# Altium PCB MiniPC.PcbDoc (part 13 of 22)
Units mm, origin at the board's own origin, x right, y up, seen from the top; angles counter-clockwise.
Board outline 175 x 155 mm, 16 copper layers (1_Top, 2_int1_(gnd), 3_int2_(power), 4_int3_(gnd), 5_int4_(sign), 6_int5_(power), 7_int6_(sign), 8_int7_(power), 9_int8_(gnd), 10_int9_(sign), 11_int10_(gnd), 12_int11_(sign), 13_int12_(gnd), 14_int13_(power), 15_int14_(gnd), 16_Bottom), stack 2.008 mm thick; 1046 components, 837 nets, 6010 pads, 4009 vias.
Unrouted connection lines stored in the file: 575.
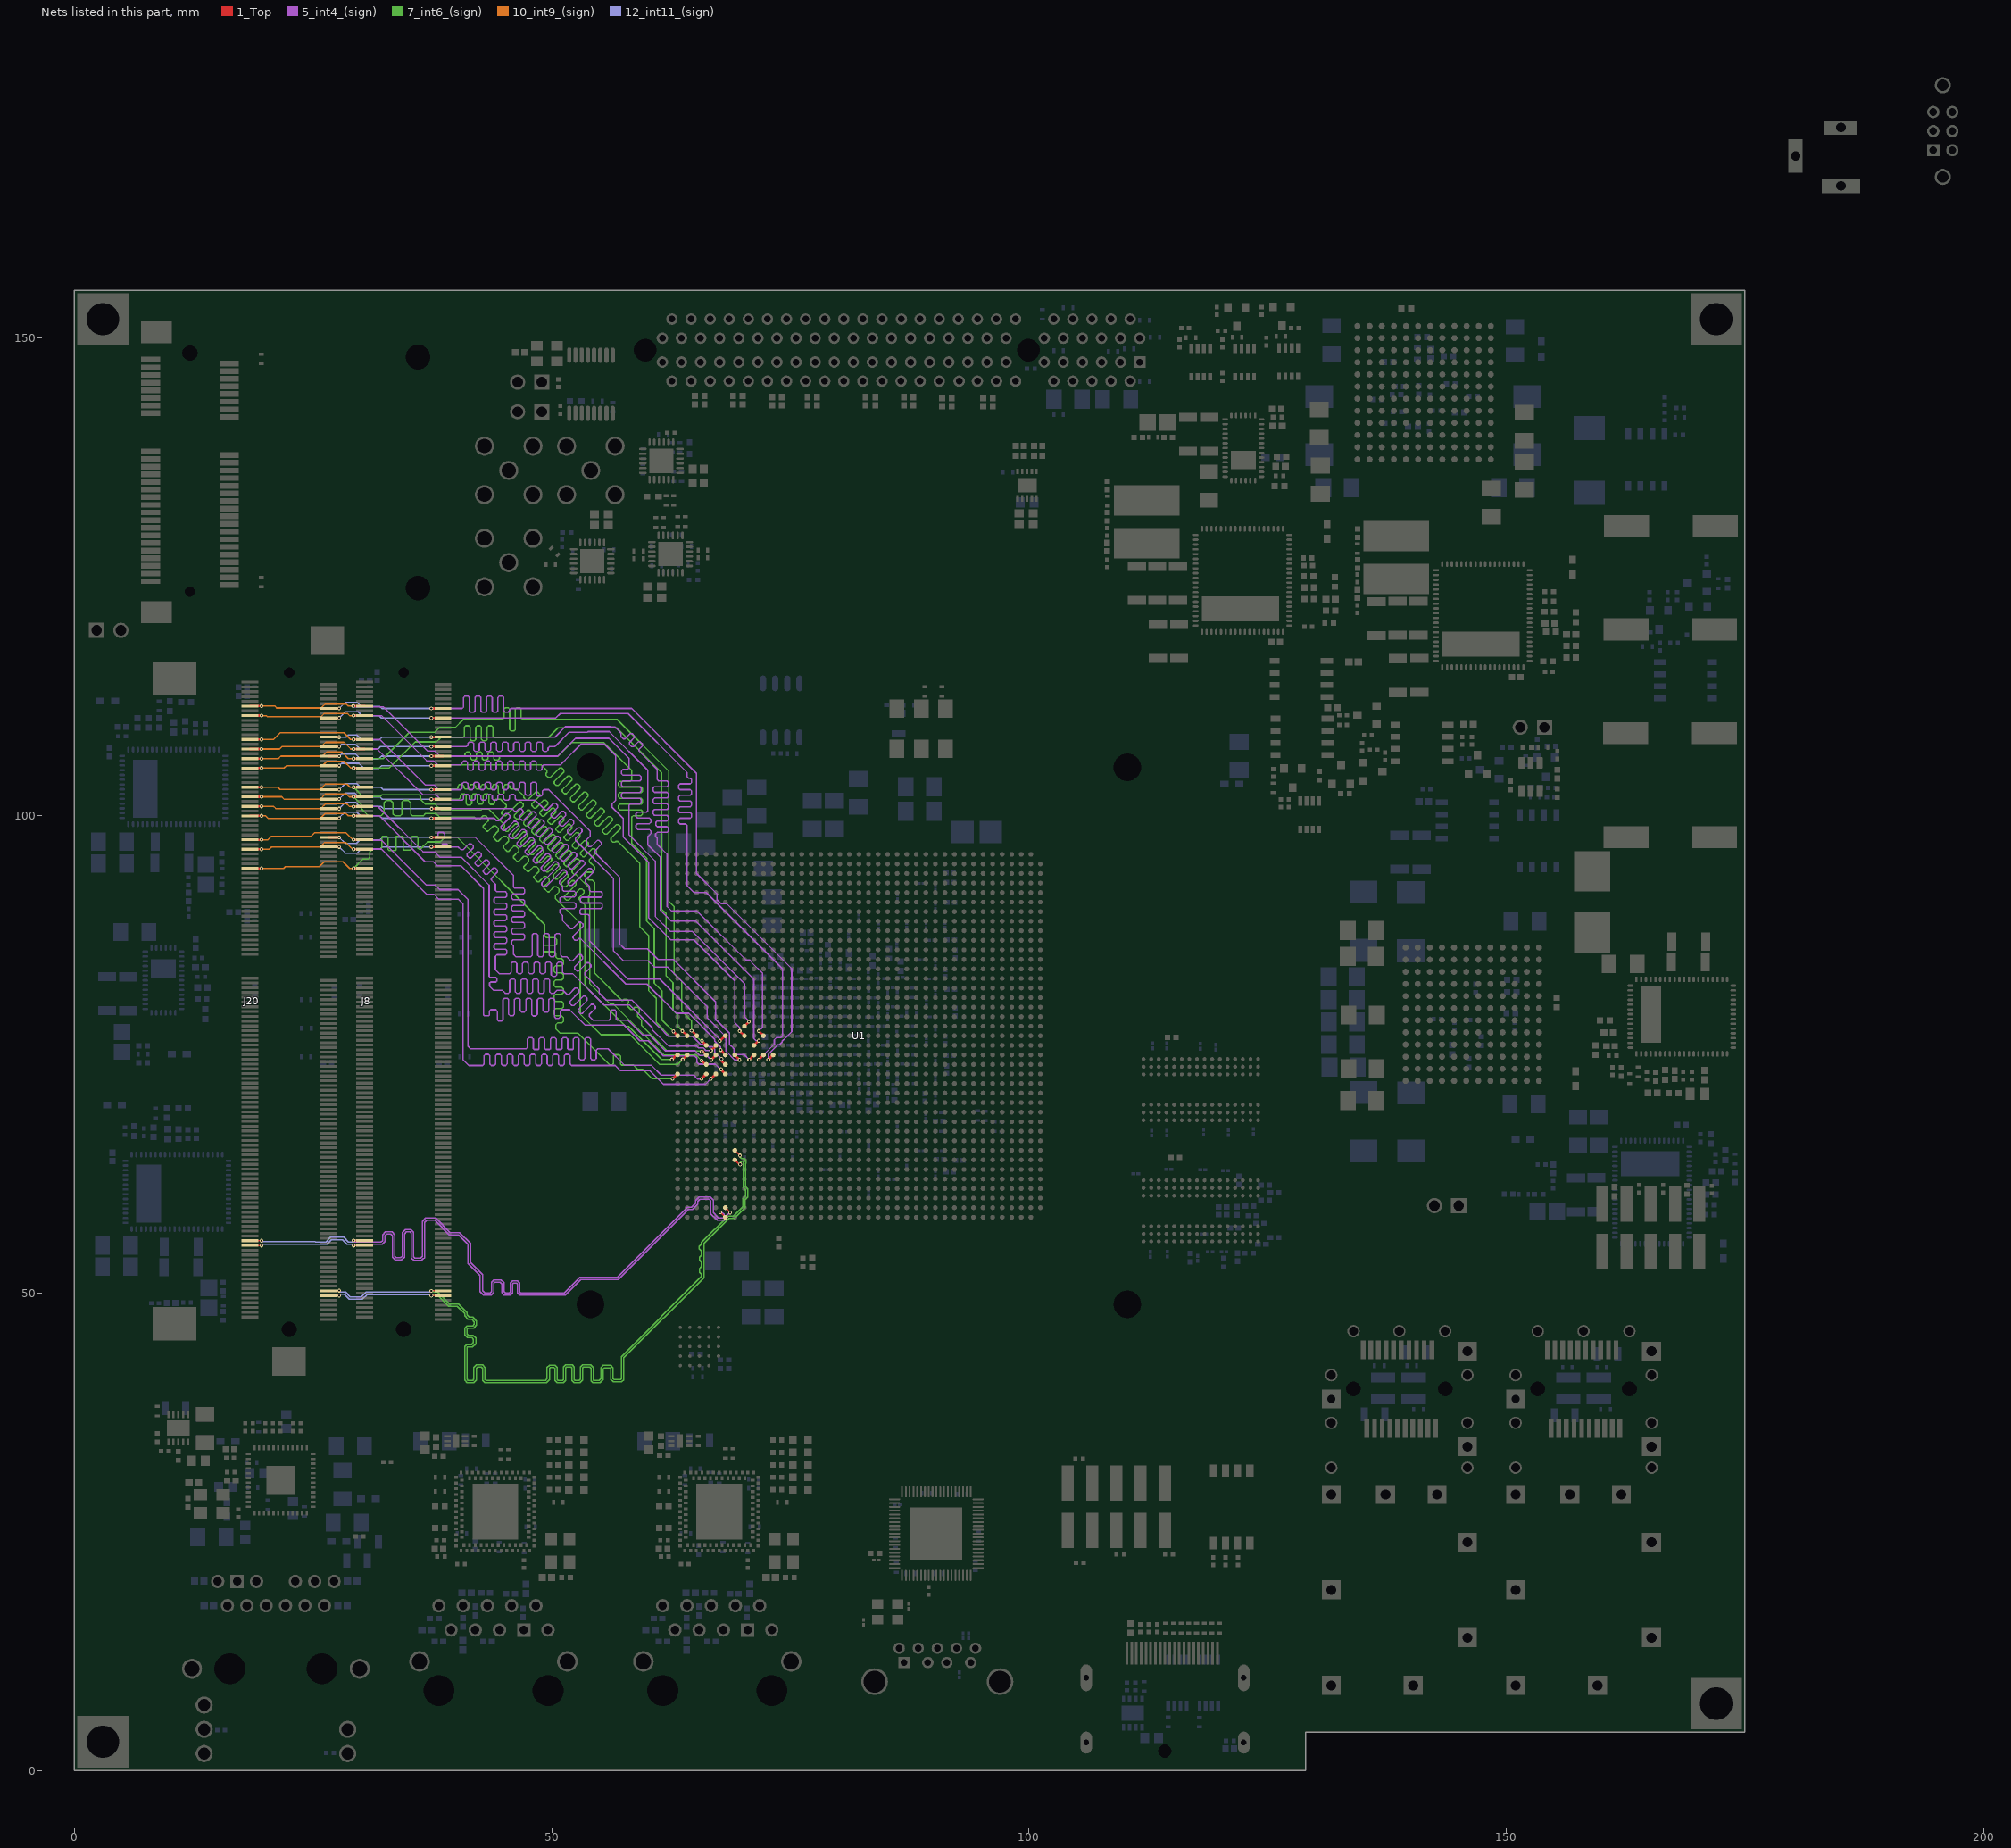
[diagram p27: the nets of this part, all layers, seen from the top]

## Via types
v1: diameter 0.4, hole 0.2, 1_Top to 16_Bottom, tented both sides, 1658 vias
v2: diameter 0.5, hole 0.2, 1_Top to 16_Bottom, tented both sides, 1014 vias
v3: diameter 0.7, hole 0.3, 1_Top to 16_Bottom, tented both sides, 915 vias
v4: diameter 0.6, hole 0.2, 1_Top to 16_Bottom, tented both sides, 278 vias
v5: diameter 0.4, hole 0.2, 1_Top to 16_Bottom, 93 vias
v6: diameter 0.4/0/0/0/0/0/0/0/0/0/0/0/0/0/0/0.4 (per signal layer), hole 0.2, 1_Top to 16_Bottom, tented both sides, 18 vias
v7: diameter 0.4/0/0/0/0/0/0/0/0/0/0/0.4/0.4/0.4/0.4/0.4 (per signal layer), hole 0.2, 1_Top to 16_Bottom, tented both sides, 16 vias
v8: diameter 0.5, hole 0.254, 1_Top to 16_Bottom, tented both sides, 15 vias
v9: diameter 0.5, hole 0.2, 1_Top to 16_Bottom, 2 vias

## Nets (pads, with @x,y where several pads share a name; then routed paths per layer and width w, separated by ;. In a path a pad name is that pad's centre, name@x,y a point inside that pad or via, vN(x,y) a via of type N, cw(c..) or ccw(c..) an arc to the next point about the centre after c; other vN are vias at no path point) (continued)
DDR4_SODIMM_DQ39: J8.182 J20.182 U1.AD1 | length 84.7
  1_Top w0.25: J20.182@18.4,94.475 v1(19.602,94.475) ; v1(29.25,94.475) J8.182@30.4,94.475 ; v1(62.675,72.425) 62.68,72.425 U1.AD1@63.194,72.939
  7_int6_(sign) w0.15: v1(29.25,94.475) 30.225,95.45 30.77,95.45 30.95,95.63 30.95,96.2 31.225,96.475 32,96.475 32.2,96.675 32.2,97.75 32.3,97.85 32.75,97.85 32.875,97.725 32.875,96.45 33,96.325 33.6,96.325 33.675,96.4 33.675,97.775 33.75,97.85 34.325,97.85 34.45,97.725 34.45,96.475 34.55,96.375 35.175,96.375 35.3,96.5 35.3,97.75 35.4,97.85 35.85,97.85 36,97.7 36,96.575 36.1,96.475 36.225,96.475 37,97.25 38.325,97.25 38.8,97.725 40.125,97.725 49.275,88.575 49.275,87.4 49.45,87.225 50.325,87.225 50.55,87 50.55,86.625 50.35,86.425 49.2,86.425 49.15,86.375 49.15,85.85 49.25,85.75 50.325,85.75 50.425,85.65 50.425,85.213 50.612,85.025 51.038,85.025 51.225,84.838 51.225,84.463 51.038,84.275 50.418,84.275 50.23,84.088 50.23,83.713 50.418,83.525 51.038,83.525 51.225,83.338 51.225,82.963 51.038,82.775 50.418,82.775 50.23,82.588 50.23,82.213 50.418,82.025 51.038,82.025 51.225,81.838 51.225,81.463 51.038,81.275 50.418,81.275 50.23,81.088 50.23,80.713 50.418,80.525 51.038,80.525 51.225,80.338 51.225,79.963 51.038,79.775 50.418,79.775 50.23,79.588 50.23,79.213 50.418,79.025 51.038,79.025 51.225,78.838 51.225,78.463 51.038,78.275 50.612,78.275 50.425,78.088 50.425,77.675 50.865,77.235 52.74,77.235 56.1,73.875 56.3,73.875 56.475,74.05 56.475,74.85 56.575,74.95 57.075,74.95 57.2,74.825 57.2,73.975 57.3,73.875 58.553,73.875 58.988,73.44 59.531,73.44 60.521,72.45 62.65,72.45 v1(62.675,72.425)
  10_int9_(sign) w0.15: v1(19.602,94.475) 21.925,94.475 22.1,94.65 25.65,94.65 26.175,95.175 28.15,95.175 28.85,94.475 v1(29.25,94.475)
DDR4_SODIMM_DQ40: J8.195 J20.195 U1.AC6 | length 89.3
  1_Top w0.25: J20.195@26.6,97.725 v1(27.75,97.725) ; v1(37.398,97.725) J8.195@38.6,97.725 ; v1(67.778,74.504) 67.778,74.355 U1.AC6@68.194,73.939
  5_int4_(sign) w0.15: v1(37.398,97.725) 37.95,97.725 37.95,97.75 38.1,97.9 38.1,98.165 38.185,98.25 38.6,98.25 38.8,98.05 38.8,97.8 38.875,97.725 42,97.725 45.985,93.74 45.985,92.55 46.135,92.4 47.035,92.4 47.185,92.25 47.185,91.95 47.035,91.8 45.96,91.8 45.81,91.65 45.81,91.35 45.96,91.2 47.035,91.2 47.185,91.05 47.185,90.75 47.035,90.6 45.96,90.6 45.81,90.45 45.81,90.15 45.96,90 47.035,90 47.185,89.85 47.185,89.55 47.035,89.4 45.96,89.4 45.81,89.25 45.81,88.95 45.96,88.8 47.035,88.8 47.185,88.65 47.185,88.35 47.035,88.2 45.96,88.2 45.81,88.05 45.81,87.75 45.96,87.6 47.035,87.6 47.185,87.45 47.185,87.15 47.035,87 45.96,87 45.81,86.85 45.81,86.55 45.985,86.375 45.985,85.49 46.25,85.225 47.8,85.225 47.95,85.375 47.95,87.5 48.1,87.65 48.4,87.65 48.55,87.5 48.55,85.375 48.7,85.225 49,85.225 49.15,85.375 49.15,87.5 49.3,87.65 49.6,87.65 49.75,87.5 49.75,85.375 49.9,85.225 50.2,85.225 50.35,85.375 50.35,87.5 50.5,87.65 50.8,87.65 50.95,87.5 50.95,85.375 51.1,85.225 51.575,85.225 51.994,84.806 52.206,84.806 52.833,85.434 53.045,85.434 53.257,85.222 53.257,85.009 52.524,84.276 52.414,84.166 52.414,83.954 52.626,83.742 52.838,83.742 53.682,84.585 53.894,84.585 54.106,84.373 54.106,84.161 53.478,83.534 53.478,83.322 54.975,81.825 54.975,81.424 55.734,80.665 57.022,80.665 58.41,80.665 61.309,77.766 61.35,77.766 62.225,76.891 64.739,76.891 65.591,76.04 66.228,76.04 66.479,75.788 66.856,75.788 67.088,75.556 67.088,75.212 67.778,74.522 v1(67.778,74.504)
  12_int11_(sign) w0.15: v1(27.75,97.725) 28.4,97.075 29.55,97.075 29.925,97.45 32,97.45 32.275,97.725 v1(37.398,97.725)
DDR4_SODIMM_DQ41: J8.194 J20.194 U1.AD4 | length 86.4
  1_Top w0.25: J20.194@18.4,97.475 v1(19.602,97.475) ; v1(29.25,97.475) J8.194@30.4,97.475 ; v1(65.7,72.425) 66.194,72.919 U1.AD4@66.194,72.939
  5_int4_(sign) w0.15: v1(29.25,97.475) 29.3,97.425 32.175,97.425 36.875,92.725 37.8,92.725 38.275,92.25 40.2,92.25 41.225,91.225 41.225,75.85 41.49,75.585 47.325,75.585 47.475,75.735 47.475,76.595 47.625,76.745 47.925,76.745 48.075,76.595 48.075,75.585 48.151,75.509 48.599,75.509 48.675,75.585 48.675,76.595 48.825,76.745 49.125,76.745 49.275,76.595 49.275,75.585 49.351,75.509 49.799,75.509 49.875,75.585 49.875,76.595 50.025,76.745 50.325,76.745 50.475,76.595 50.475,75.585 50.551,75.509 50.999,75.509 51.075,75.585 51.075,76.595 51.225,76.745 51.525,76.745 51.675,76.595 51.675,75.585 51.751,75.509 52.199,75.509 52.275,75.585 52.275,76.595 52.425,76.745 52.725,76.745 52.875,76.595 52.875,74.575 53.025,74.425 53.325,74.425 53.475,74.575 53.475,76.595 53.625,76.745 53.925,76.745 54.075,76.595 54.075,74.575 54.225,74.425 54.525,74.425 54.675,74.575 54.675,75.435 54.825,75.585 55.915,75.585 57.665,73.835 60.458,73.835 61.483,72.81 64.884,72.81 65.269,72.425 v1(65.7,72.425)
  10_int9_(sign) w0.15: v1(19.602,97.475) 20.275,97.475 20.65,97.85 24.825,97.85 25.175,98.2 28.45,98.2 29.175,97.475 v1(29.25,97.475)
DDR4_SODIMM_DQ42: J8.207 J20.207 U1.Y6 | length 90.8
  1_Top w0.25: J20.207@26.6,100.725 v1(27.75,100.725) ; v1(37.425,100.725) J8.207@38.6,100.725 ; v1(67.625,76.4) 68.164,76.939 U1.Y6@68.194,76.939
  5_int4_(sign) w0.15: v1(37.425,100.725) 45.85,100.725 46.106,100.469 46.318,100.469 46.574,100.725 46.786,100.725 46.999,100.513 46.999,100.301 46.636,99.939 46.636,99.765 46.887,99.514 47.061,99.514 47.945,100.398 48.157,100.398 48.369,100.186 48.369,99.974 47.485,99.09 47.485,98.916 47.735,98.666 47.909,98.666 48.793,99.55 49.005,99.55 49.217,99.338 49.217,99.125 48.333,98.242 48.333,98.068 48.584,97.817 48.758,97.817 49.642,98.701 49.854,98.701 50.066,98.489 50.066,98.277 49.182,97.393 49.182,97.219 49.432,96.969 49.606,96.969 50.49,97.853 50.702,97.853 50.914,97.641 50.914,97.428 50.03,96.545 50.03,96.371 50.281,96.12 50.455,96.12 51.339,97.004 51.551,97.004 51.763,96.792 51.763,96.58 50.879,95.696 50.879,95.522 51.129,95.272 51.303,95.272 52.187,96.156 52.399,96.156 52.611,95.943 52.611,95.731 51.728,94.847 51.728,94.674 51.978,94.423 52.152,94.423 53.036,95.307 53.248,95.307 53.46,95.095 53.46,94.883 52.576,93.999 51.692,93.115 51.692,92.903 51.904,92.691 52.116,92.691 53,93.575 53.884,94.459 54.096,94.459 54.308,94.246 54.308,94.034 53.531,93.256 53.531,93.044 53.95,92.625 53.95,92.2 54.1,92.05 55.155,92.05 55.305,91.9 55.305,91.6 55.155,91.45 53.149,91.45 52.999,91.3 52.999,91 53.149,90.85 55.155,90.85 55.305,90.7 55.305,90.4 55.155,90.25 53.113,90.25 52.963,90.1 52.963,89.8 53.113,89.65 53.8,89.65 53.95,89.5 53.95,86.921 57.996,82.875 61.325,82.875 67.625,76.575 v1(67.625,76.4)
  12_int11_(sign) w0.15: v1(27.75,100.725) 28.4,101.375 29.475,101.375 29.875,100.975 32.125,100.975 32.375,100.725 v1(37.425,100.725)
DDR4_SODIMM_DQ43: J8.208 J20.208 U1.AB5 | length 89.9
  1_Top w0.25: J20.208@18.4,100.975 v1(19.602,100.975) ; v1(29.25,100.95) 29.275,100.975 J8.208@30.4,100.975 ; v1(66.725,74.425) 67.194,74.894 U1.AB5@67.194,74.939
  5_int4_(sign) w0.15: v1(29.25,100.95) 29.275,100.975 31.775,100.975 36.535,96.215 37.71,96.215 38.3,95.625 40.55,95.625 43.45,92.725 43.45,83.15 43.55,83.05 44.15,83.05 44.275,82.925 44.275,82.7 44.15,82.575 43.6,82.575 43.5,82.475 43.5,82.125 43.925,81.7 44.85,81.7 45,81.55 45,81.535 45.15,81.385 45.45,81.385 45.6,81.535 45.6,82.75 45.75,82.9 46.05,82.9 46.2,82.75 46.2,81.535 46.35,81.385 46.65,81.385 46.8,81.535 46.8,82.75 46.95,82.9 47.25,82.9 47.4,82.75 47.4,81.535 47.55,81.385 47.85,81.385 48,81.535 48,82.75 48.15,82.9 48.45,82.9 48.6,82.75 48.6,81.535 48.75,81.385 49.05,81.385 49.2,81.535 49.2,82.75 49.35,82.9 49.65,82.9 49.8,82.75 49.8,81.535 49.95,81.385 50.25,81.385 50.4,81.535 50.4,81.55 50.55,81.7 51.2,81.7 51.606,81.294 51.818,81.294 52.455,81.93 52.667,81.93 52.879,81.718 52.879,81.506 51.915,80.542 51.915,80.33 52.127,80.118 52.339,80.118 53.303,81.082 53.515,81.082 53.727,80.87 53.727,80.658 52.985,79.915 52.777,79.707 52.777,79.495 52.989,79.282 53.201,79.282 53.409,79.491 54.152,80.233 54.364,80.233 54.576,80.021 54.576,79.809 53.94,79.173 53.94,78.96 54.338,78.562 56,78.562 56.15,78.712 56.15,79.495 56.3,79.645 56.6,79.645 56.75,79.495 56.75,78.712 56.9,78.562 57.988,78.562 59.525,77.025 60.25,77.025 61.9,75.375 65.021,75.375 65.521,74.875 66.25,74.875 66.7,74.425 v1(66.725,74.425)
  10_int9_(sign) w0.15: v1(19.602,100.975) 20.875,100.975 21.1,100.75 25.825,100.75 26.325,101.25 28.525,101.25 28.825,100.95 v1(29.25,100.95)
DDR4_SODIMM_DQ44: J8.191 J20.191 U1.AA5 | length 89.8
  1_Top w0.25: J20.191@26.6,96.725 v1(27.75,96.725) ; v1(37.398,96.725) J8.191@38.6,96.725 ; v1(66.7,75.4) 67.194,75.894 U1.AA5@67.194,75.939
  5_int4_(sign) w0.15: v1(37.398,96.725) 38.25,96.725 38.55,97.025 39.05,97.025 39.35,96.725 40.2,96.725 40.506,96.419 40.718,96.419 41.355,97.055 41.567,97.055 41.779,96.843 41.779,96.631 41.142,95.995 41.142,95.783 41.355,95.57 41.567,95.57 42.203,96.207 42.415,96.207 42.627,95.995 42.627,95.783 41.991,95.146 41.991,94.934 42.203,94.722 42.415,94.722 43.052,95.358 43.264,95.358 43.476,95.146 43.476,94.934 42.84,94.298 42.84,94.085 43.052,93.873 43.264,93.873 43.9,94.51 44.112,94.51 44.324,94.298 44.324,94.085 43.688,93.449 43.688,93.237 44.1,92.825 44.1,92.175 44.25,92.025 45.15,92.025 45.3,91.875 45.3,91.575 45.15,91.425 44.1,91.425 43.96,91.285 43.96,90.965 44.1,90.825 45.15,90.825 45.3,90.675 45.3,90.375 45.15,90.225 44.1,90.225 43.96,90.085 43.96,89.765 44.1,89.625 45.15,89.625 45.3,89.475 45.3,89.175 45.15,89.025 44.1,89.025 43.96,88.885 43.96,88.565 44.1,88.425 45.15,88.425 45.3,88.275 45.3,87.975 45.15,87.825 44.1,87.825 43.96,87.685 43.96,87.365 44.1,87.225 45.15,87.225 45.3,87.075 45.3,86.775 45.15,86.625 44.1,86.625 43.96,86.485 43.96,86.165 44.1,86.025 45.15,86.025 45.3,85.875 45.3,85.575 45.15,85.425 44.25,85.425 44.1,85.275 44.1,83.85 44.5,83.45 45.6,83.45 45.75,83.6 45.75,84.5 45.9,84.65 46.2,84.65 46.35,84.5 46.35,83.6 46.5,83.45 46.8,83.45 46.95,83.6 46.95,84.5 47.1,84.65 47.4,84.65 47.55,84.5 47.55,83.6 47.7,83.45 48,83.45 48.15,83.6 48.15,84.5 48.3,84.65 48.6,84.65 48.75,84.5 48.75,83.6 48.9,83.45 49.2,83.45 49.35,83.6 49.35,84.5 49.5,84.65 49.8,84.65 49.95,84.5 49.95,83.321 50.1,83.171 50.4,83.171 50.55,83.321 50.55,84.5 50.7,84.65 51,84.65 51.15,84.5 51.15,83.6 51.3,83.45 52.196,83.45 55.491,80.155 56.089,80.155 56.811,80.155 58.17,80.155 60.55,77.775 60.55,77.575 62.25,75.875 65.176,75.875 65.381,75.67 65.881,75.67 66.151,75.4 v1(66.7,75.4)
  12_int11_(sign) w0.15: v1(27.75,96.725) 28.4,96.075 29.625,96.075 30.025,96.475 32.025,96.475 32.275,96.725 v1(37.398,96.725)
DDR4_SODIMM_DQ45: J8.190 J20.190 U1.AD5 | length 86.6
  1_Top w0.25: J20.190@18.4,96.475 v1(19.602,96.475) ; v1(29.25,96.475) J8.190@30.4,96.475 ; v1(66.694,72.439) U1.AD5@67.194,72.939
  5_int4_(sign) w0.15: v1(29.25,96.475) 29.275,96.5 32.15,96.5 36.875,91.775 37.65,91.775 38.2,91.225 40.25,91.225 40.7,90.775 40.7,74.45 41.319,73.831 42.775,73.831 42.925,73.981 42.925,74.849 43.075,74.999 43.375,74.999 43.525,74.849 43.525,73.981 43.675,73.831 43.975,73.831 44.125,73.981 44.125,74.849 44.275,74.999 44.575,74.999 44.725,74.849 44.725,73.981 44.875,73.831 45.175,73.831 45.325,73.981 45.325,74.849 45.475,74.999 45.775,74.999 45.925,74.849 45.925,73.981 46.075,73.831 46.375,73.831 46.525,73.981 46.525,74.849 46.675,74.999 46.975,74.999 47.125,74.849 47.125,73.981 47.275,73.831 47.575,73.831 47.725,73.981 47.725,74.849 47.875,74.999 48.175,74.999 48.325,74.849 48.325,73.981 48.475,73.831 48.775,73.831 48.925,73.981 48.925,74.849 49.075,74.999 49.375,74.999 49.525,74.849 49.525,73.981 49.675,73.831 49.975,73.831 50.125,73.981 50.125,74.849 50.275,74.999 50.575,74.999 50.725,74.849 50.725,73.981 50.875,73.831 51.175,73.831 51.325,73.981 51.325,74.849 51.475,74.999 51.775,74.999 51.925,74.849 51.925,73.981 52.075,73.831 56.669,73.831 57.223,73.277 60.296,73.277 61.712,71.86 66.115,71.86 v1(66.694,72.439)
  10_int9_(sign) w0.15: v1(19.602,96.475) 20.4,96.475 20.65,96.725 25.75,96.725 26.2,97.175 28.45,97.175 29.15,96.475 v1(29.25,96.475)
DDR4_SODIMM_DQ46: J8.203 J20.203 U1.AB6 | length 90.2
  1_Top w0.25: J20.203@26.6,99.725 v1(27.75,99.725) ; v1(37.398,99.725) J8.203@38.6,99.725 ; v1(67.7,75.45) 68.194,74.956 U1.AB6@68.194,74.939
  5_int4_(sign) w0.15: v1(37.398,99.725) 43.975,99.725 44.231,99.469 44.443,99.469 45.189,100.215 45.401,100.215 45.614,100.003 45.614,99.791 44.682,98.859 44.682,98.647 44.894,98.435 45.106,98.435 46.07,99.398 46.282,99.398 46.494,99.186 46.494,98.974 45.61,98.09 45.53,98.011 45.53,97.798 45.743,97.586 45.955,97.586 46.034,97.666 46.918,98.55 47.13,98.55 47.342,98.338 47.342,98.125 46.458,97.242 46.379,97.162 46.379,96.95 46.591,96.738 46.803,96.738 47.767,97.701 47.979,97.701 48.191,97.489 48.191,97.277 47.307,96.393 47.227,96.314 47.227,96.101 47.44,95.889 47.652,95.889 47.731,95.969 48.615,96.853 48.827,96.853 49.039,96.641 49.039,96.428 48.155,95.545 48.076,95.465 48.076,95.253 48.288,95.041 48.5,95.041 49.464,96.004 49.676,96.004 49.888,95.792 49.888,95.58 49.004,94.696 48.925,94.616 48.925,94.404 49.137,94.192 49.349,94.192 49.428,94.272 50.312,95.156 50.524,95.156 50.736,94.943 50.736,94.731 49.853,93.847 48.969,92.964 48.969,92.751 49.181,92.539 49.393,92.539 51.161,94.307 51.373,94.307 51.585,94.095 51.585,93.883 50.807,93.105 50.807,92.893 51.125,92.575 51.125,92.225 51.275,92.075 52.375,92.075 52.525,91.925 52.525,91.625 52.375,91.475 51.02,91.475 50.87,91.325 50.87,91.025 51.02,90.875 52.375,90.875 52.525,90.725 52.525,90.425 52.375,90.275 51.02,90.275 50.87,90.125 50.87,89.825 51.125,89.57 51.125,89.025 51.981,88.169 52.193,88.169 52.86,88.835 53.072,88.835 53.284,88.623 53.284,88.411 52.511,87.639 52.243,87.371 52.243,87.158 52.456,86.946 52.668,86.946 52.83,87.108 53.042,87.108 57.785,82.365 59.985,82.365 63.05,79.3 64.369,79.3 67.095,76.574 67.095,76.38 67.7,75.775 v1(67.7,75.45)
  12_int11_(sign) w0.15: v1(27.75,99.725) 27.75,99.775 28.325,100.35 29.575,100.35 29.95,99.975 31.975,99.975 32.225,99.725 v1(37.398,99.725)
DDR4_SODIMM_DQ47: J8.204 J20.204 U1.AD6 | length 89
  1_Top w0.25: J20.204@18.4,99.975 v1(19.602,99.975) ; v1(29.25,99.975) J8.204@30.4,99.975 ; v1(67.75,73.425) 67.75,73.383 U1.AD6@68.194,72.939
  5_int4_(sign) w0.15: v1(29.25,99.975) 31.95,99.975 36.75,95.175 37.6,95.175 38.025,94.75 40.5,94.75 42.875,92.375 42.875,79.125 42.95,79.05 43.4,79.05 43.475,79.125 43.475,79.525 43.625,79.675 44.15,79.675 44.3,79.525 44.3,78.625 44.45,78.475 44.75,78.475 44.9,78.625 44.9,80.725 45.05,80.875 45.35,80.875 45.5,80.725 45.5,79.196 45.65,79.046 45.95,79.046 46.1,79.196 46.1,80.725 46.25,80.875 46.55,80.875 46.7,80.725 46.7,79.59 46.85,79.44 47.15,79.44 47.3,79.59 47.3,80.725 47.45,80.875 47.75,80.875 47.9,80.725 47.9,79.171 48.05,79.021 48.35,79.021 48.5,79.171 48.5,80.725 48.65,80.875 48.95,80.875 49.1,80.725 49.1,79.565 49.25,79.415 49.55,79.415 49.7,79.565 49.7,80.725 49.85,80.875 50.15,80.875 50.3,80.725 50.3,78.921 50.45,78.771 50.75,78.771 50.9,78.921 50.9,79.525 51.05,79.675 51.875,79.675 53.498,78.052 57.598,78.052 59.225,76.425 60.125,76.425 61.715,74.835 64.965,74.835 65.2,74.6 65.2,74.175 65.41,73.965 67.148,73.965 67.688,73.425 v1(67.75,73.425)
  10_int9_(sign) w0.15: v1(19.602,99.975) 20.025,99.975 20.3,99.7 25.75,99.7 26.275,100.225 28.45,100.225 28.7,99.975 v1(29.25,99.975)
DDR4_SODIMM_DQ48: J8.216 J20.216 U1.AB1 | length 84.7
  1_Top w0.25: J20.216@18.4,102.975 v1(19.602,102.975) ; v1(29.25,102.975) J8.216@30.4,102.975 ; v1(62.6,74.45) 63.089,74.939 U1.AB1@63.194,74.939
  7_int6_(sign) w0.15: v1(29.25,102.975) 30.225,102 32.05,102 32.225,102.175 36.1,102.175 36.275,102 36.275,101.7 36.75,101.225 37.75,101.225 38.365,100.61 42.644,100.61 42.724,100.69 43.412,100.69 45.048,99.054 45.048,98.842 44.993,98.787 44.993,98.575 45.205,98.363 45.417,98.363 45.578,98.524 46.179,99.125 46.391,99.125 46.604,98.913 46.604,98.701 45.935,98.032 45.935,97.82 46.148,97.608 46.36,97.608 47.028,98.276 47.24,98.276 47.452,98.064 47.452,97.852 46.801,97.201 46.801,96.989 47.013,96.777 47.226,96.777 47.876,97.428 48.089,97.428 48.301,97.216 48.301,97.004 47.65,96.353 47.65,96.141 47.862,95.929 48.074,95.929 48.124,95.978 48.725,96.579 48.937,96.579 49.149,96.367 49.149,96.155 48.495,95.501 48.495,95.289 48.707,95.077 48.919,95.077 49.573,95.731 49.786,95.731 49.998,95.519 49.998,95.307 49.397,94.706 49.236,94.545 49.236,94.333 49.448,94.12 49.66,94.12 49.821,94.281 50.422,94.882 50.634,94.882 50.846,94.67 50.846,94.458 50.178,93.79 50.178,93.578 50.39,93.366 50.602,93.366 51.27,94.034 51.483,94.034 51.695,93.822 51.695,93.609 51.044,92.959 51.044,92.747 51.256,92.534 51.468,92.534 51.518,92.584 52.119,93.185 52.331,93.185 52.543,92.973 52.543,92.761 51.341,91.559 51.341,91.347 51.553,91.135 51.765,91.135 52.968,92.337 53.18,92.337 53.392,92.125 53.392,91.912 52.897,91.417 52.897,91.205 53.5,90.602 53.5,82.178 57.755,77.922 58.05,77.922 61.522,74.45 v1(62.6,74.45)
  10_int9_(sign) w0.15: v1(19.602,102.975) 21.325,102.975 21.55,102.75 25.75,102.75 26.3,103.3 28.55,103.3 28.875,102.975 v1(29.25,102.975)
DDR4_SODIMM_DQ49: J8.215 J20.215 U1.AB4 | length 87.2
  1_Top w0.25: J20.215@26.6,102.725 26.625,102.7 26.655,102.73 v1(27.751,102.73) ; v1(37.398,102.725) J8.215@38.6,102.725 ; v1(65.728,75.279) 65.855,75.279 U1.AB4@66.194,74.939
  7_int6_(sign) w0.15: v1(37.398,102.725) 37.448,102.775 40.05,102.775 40.2,102.925 40.2,103.1 40.35,103.25 40.65,103.25 40.8,103.1 40.8,102.925 40.95,102.775 41.25,102.775 41.4,102.925 41.4,103.1 41.55,103.25 41.85,103.25 42,103.1 42,102.925 42.15,102.775 42.45,102.775 42.6,102.925 42.6,103.1 42.75,103.25 43.05,103.25 43.2,103.1 43.2,102.925 43.35,102.775 43.65,102.775 43.8,102.925 43.8,103.1 43.95,103.25 44.25,103.25 44.4,103.1 44.4,102.385 44.55,102.235 44.85,102.235 45,102.385 45,103.1 45.15,103.25 45.45,103.25 45.6,103.1 45.6,102.925 45.75,102.775 46.35,102.775 47.061,102.064 47.061,101.904 47.326,101.639 47.486,101.639 48.314,102.468 48.526,102.468 48.738,102.256 48.738,102.043 47.91,101.215 47.91,101.055 48.174,100.791 48.334,100.791 49.163,101.619 49.375,101.619 49.587,101.407 49.587,101.195 48.758,100.367 48.758,100.207 49.023,99.942 49.183,99.942 50.011,100.771 50.223,100.771 50.435,100.559 50.435,100.346 49.607,99.518 49.607,99.358 49.871,99.094 50.031,99.094 50.86,99.922 51.072,99.922 51.284,99.71 51.284,99.498 50.455,98.67 50.455,98.51 50.72,98.245 50.88,98.245 51.708,99.074 51.92,99.074 52.132,98.861 52.132,98.649 51.304,97.821 51.304,97.661 51.568,97.397 51.728,97.397 52.557,98.225 52.769,98.225 52.981,98.013 52.981,97.801 52.153,96.972 52.153,96.813 52.417,96.548 52.577,96.548 53.405,97.377 53.617,97.377 53.829,97.164 53.829,96.952 53.001,96.124 53.001,95.964 53.265,95.7 53.425,95.7 54.254,96.528 54.466,96.528 54.678,96.316 54.678,96.104 53.956,95.381 53.956,95.169 54.52,94.605 54.52,94.325 54.27,94.075 53.675,94.075 53.45,93.85 53.45,93.7 53.9,93.25 54.25,93.25 54.52,92.98 54.52,83.487 57.366,80.641 57.441,80.641 57.575,80.775 57.875,80.775 58.075,80.575 58.075,80.4 57.925,80.25 57.925,80.082 58.307,79.7 58.5,79.7 58.725,79.925 59.025,79.925 59.2,79.75 59.2,79.425 59,79.225 59,79.007 59.4,78.607 59.4,78.053 62.103,75.35 65.657,75.35 v1(65.728,75.279)